# KiCad board z80.kicad_pcb (continued)
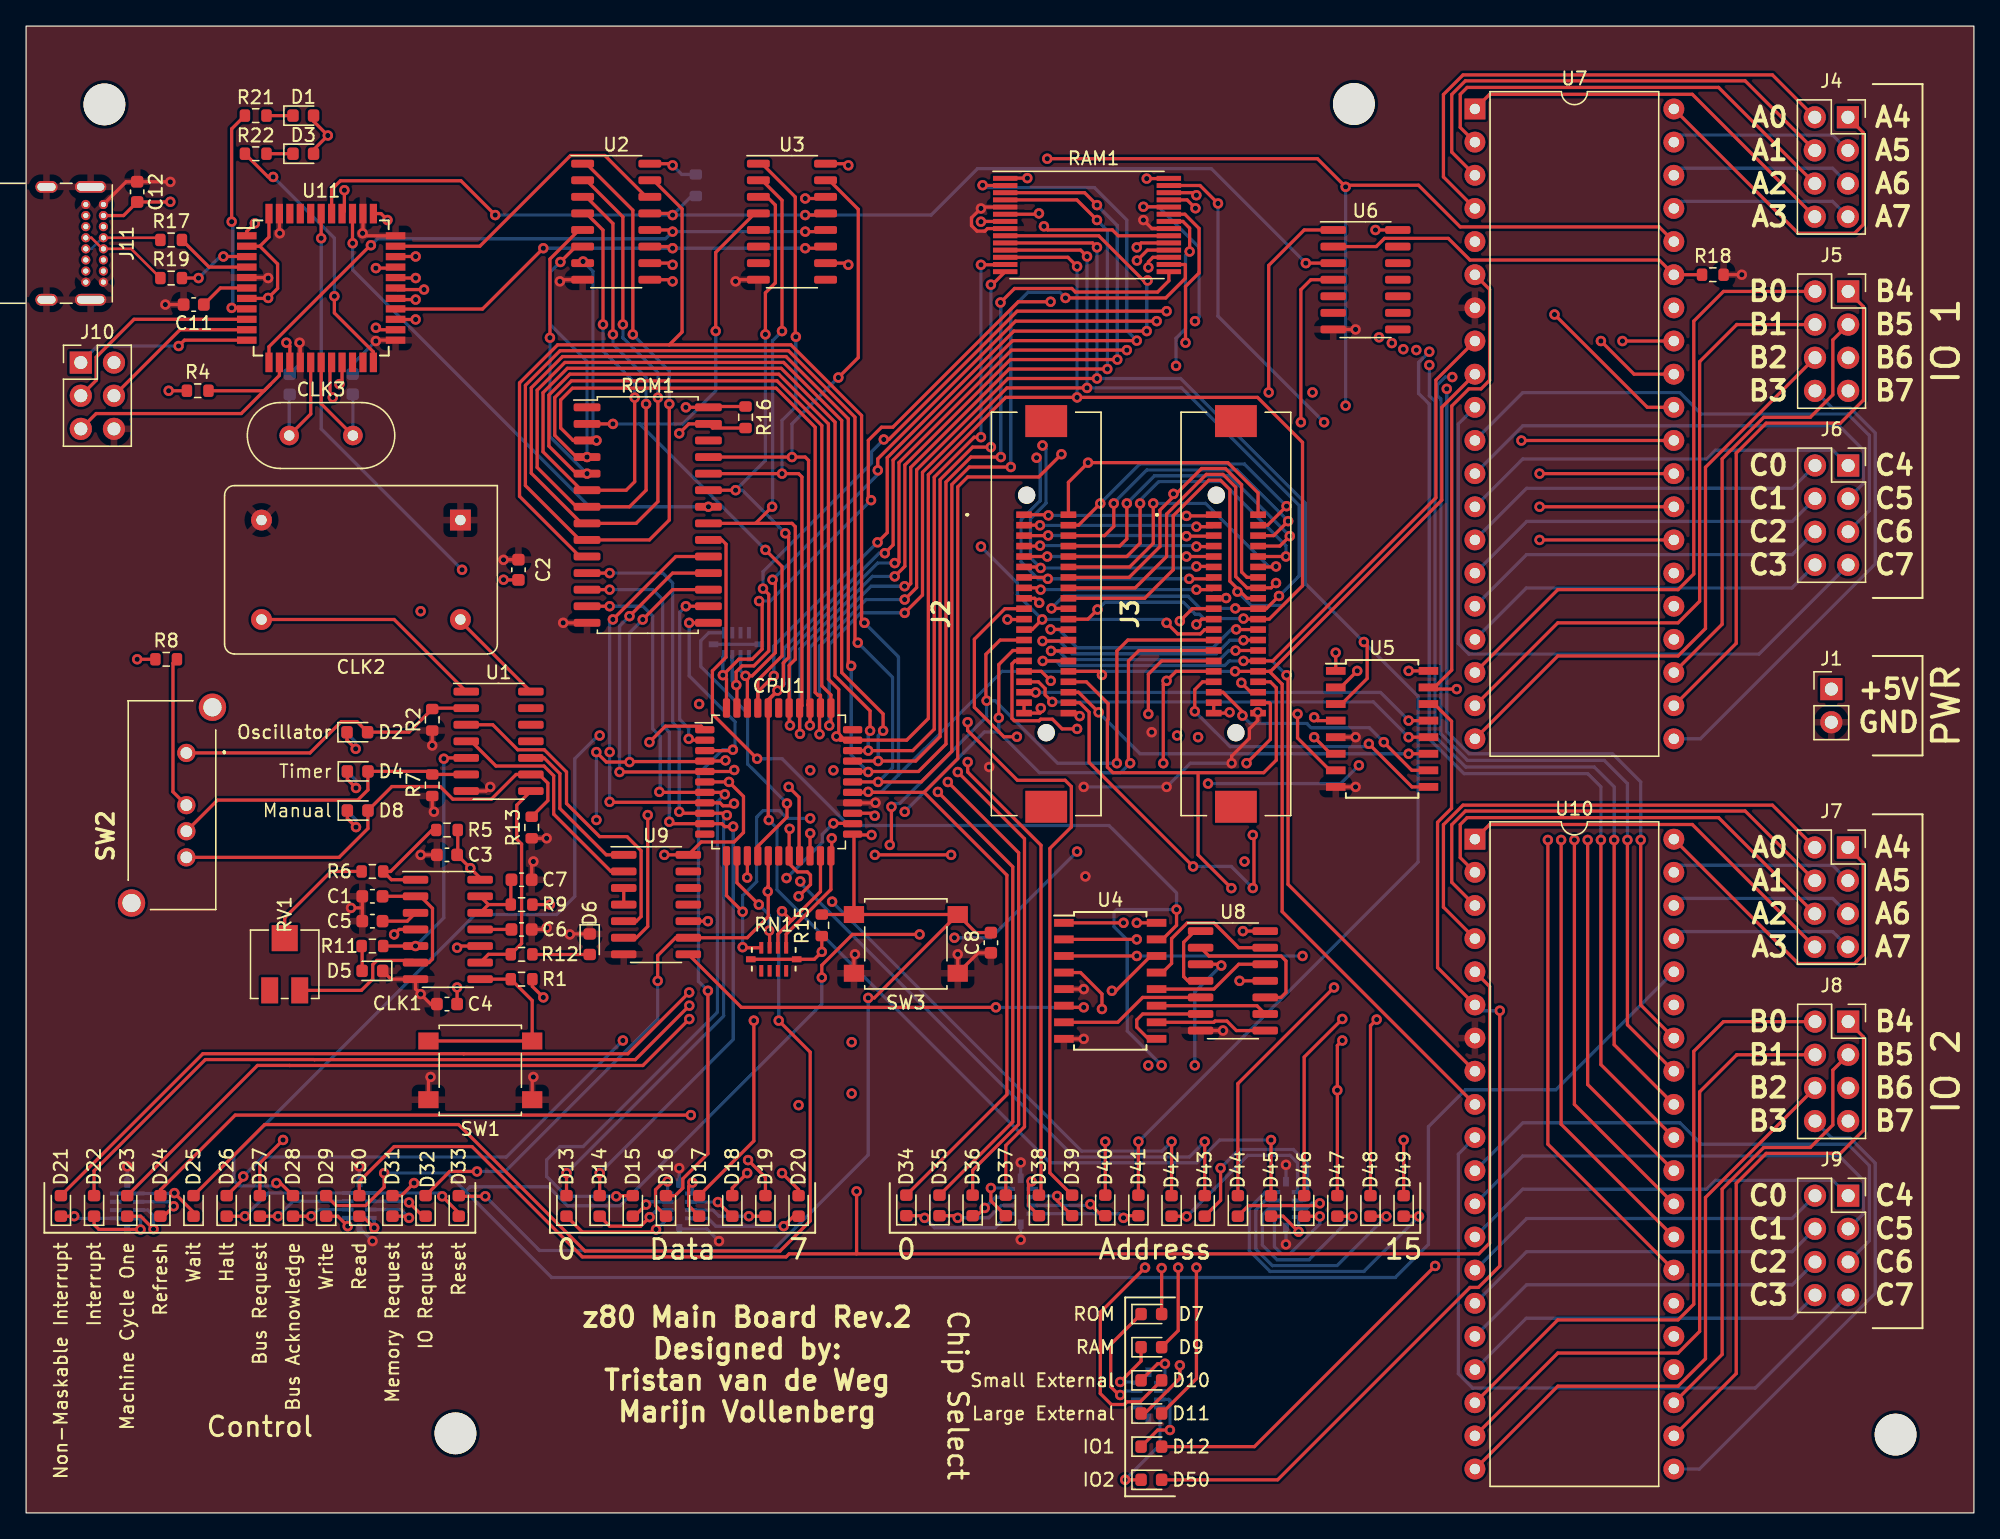
[diagram p0: board, top side]
## Nets (continued)
/USB-D-: J11.A7 J11.B7 R19.1
/WAIT: CPU1.21 D25.2 J2.16 J3.16 RN1.3
/WR: CPU1.19 D29.2 J2.13 J3.13 RAM1.27 U7.36 U10.36
Clock: CPU1.1 U9.6
Net-(CLK1A-CV): C5.1 CLK1.3
Net-(CLK1A-DIS): CLK1.1 R5.2 R6.2
Net-(CLK1A-THR): C1.1 CLK1.2 CLK1.6 RV1.1
Net-(CLK1B-CV): C6.1 CLK1.11
Net-(CLK1B-DIS): C7.2 CLK1.12 CLK1.13 R9.2
Net-(CLK1B-TR): CLK1.8 R1.2 SW1.2
Net-(D1-K): D1.1 R21.1
Net-(D2-A): D2.2 R2.2 SW2.1 U1.2
Net-(D2-K): D2.1 R3.1
Net-(D3-K): D3.1 R22.1
Net-(D4-A): D4.2 R7.2 SW2.3 U1.6
Net-(D4-K): D4.1 R10.1
Net-(D5-A): D5.2 R11.1
Net-(D6-A): D6.2 R12.2
Net-(D7-K): D7.1 RN8.4
Net-(D8-A): D8.2 R13.2 SW2.4 U1.9
Net-(D8-K): D8.1 R14.1
Net-(D9-K): D9.1 RN8.5
Net-(D10-K): D10.1 RN8.6
Net-(D11-K): D11.1 RN8.7
Net-(D12-K): D12.1 RN8.8
Net-(D13-K): D13.1 RN3.2
Net-(D14-K): D14.1 RN3.3
Net-(D15-K): D15.1 RN3.4
Net-(D16-K): D16.1 RN3.5
Net-(D17-K): D17.1 RN3.6
Net-(D18-K): D18.1 RN3.7
Net-(D19-K): D19.1 RN3.8
Net-(D20-K): D20.1 RN3.9
Net-(D21-K): D21.1 RN4.6
Net-(D22-K): D22.1 RN4.5
Net-(D23-K): D23.1 RN4.4
Net-(D24-K): D24.1 RN4.3
Net-(D25-K): D25.1 RN4.2
Net-(D26-K): D26.1 RN5.9
Net-(D27-K): D27.1 RN5.8
Net-(D28-K): D28.1 RN5.7
Net-(D29-K): D29.1 RN5.6
Net-(D30-K): D30.1 RN5.5
Net-(D31-K): D31.1 RN5.4
Net-(D32-K): D32.1 RN5.3
Net-(D33-K): D33.1 RN5.2
Net-(D34-K): D34.1 RN6.2
Net-(D35-K): D35.1 RN6.3
Net-(D36-K): D36.1 RN6.4
Net-(D37-K): D37.1 RN6.5
Net-(D38-K): D38.1 RN6.6
Net-(D39-K): D39.1 RN6.7
Net-(D40-K): D40.1 RN6.8
Net-(D41-K): D41.1 RN6.9
Net-(D42-K): D42.1 RN7.2
Net-(D43-K): D43.1 RN7.3
Net-(D44-K): D44.1 RN7.4
Net-(D45-K): D45.1 RN7.5
Net-(D46-K): D46.1 RN7.6
Net-(D47-K): D47.1 RN7.7
Net-(D48-K): D48.1 RN7.8
Net-(D49-K): D49.1 RN7.9
Net-(D50-K): D50.1 RN8.9
Net-(J4-Pin_1): J4.1 U7.40
Net-(J4-Pin_2): J4.2 U7.4
Net-(J4-Pin_3): J4.3 U7.39
Net-(J4-Pin_4): J4.4 U7.3
Net-(J4-Pin_5): J4.5 U7.38
Net-(J4-Pin_6): J4.6 U7.2
Net-(J4-Pin_7): J4.7 U7.37
Net-(J4-Pin_8): J4.8 U7.1
Net-(J5-Pin_1): J5.1 U7.22
Net-(J5-Pin_2): J5.2 U7.18
Net-(J5-Pin_3): J5.3 U7.23
Net-(J5-Pin_4): J5.4 U7.19
Net-(J5-Pin_5): J5.5 U7.24
Net-(J5-Pin_6): J5.6 U7.20
Net-(J5-Pin_7): J5.7 U7.25
Net-(J5-Pin_8): J5.8 U7.21
Net-(J6-Pin_1): J6.1 U7.13
Net-(J6-Pin_2): J6.2 U7.14
Net-(J6-Pin_3): J6.3 U7.12
Net-(J6-Pin_4): J6.4 U7.15
Net-(J6-Pin_5): J6.5 U7.11
Net-(J6-Pin_6): J6.6 U7.16
Net-(J6-Pin_7): J6.7 U7.10
Net-(J6-Pin_8): J6.8 U7.17
Net-(J7-Pin_1): J7.1 U10.40
Net-(J7-Pin_2): J7.2 U10.4
Net-(J7-Pin_3): J7.3 U10.39
Net-(J7-Pin_4): J7.4 U10.3
Net-(J7-Pin_5): J7.5 U10.38
Net-(J7-Pin_6): J7.6 U10.2
Net-(J7-Pin_7): J7.7 U10.37
Net-(J7-Pin_8): J7.8 U10.1
Net-(J8-Pin_1): J8.1 U10.22
Net-(J8-Pin_2): J8.2 U10.18
Net-(J8-Pin_3): J8.3 U10.23
Net-(J8-Pin_4): J8.4 U10.19
Net-(J8-Pin_5): J8.5 U10.24
Net-(J8-Pin_6): J8.6 U10.20
Net-(J8-Pin_7): J8.7 U10.25
Net-(J8-Pin_8): J8.8 U10.21
Net-(J9-Pin_1): J9.1 U10.13
Net-(J9-Pin_2): J9.2 U10.14
Net-(J9-Pin_3): J9.3 U10.12
Net-(J9-Pin_4): J9.4 U10.15
Net-(J9-Pin_5): J9.5 U10.11
Net-(J9-Pin_6): J9.6 U10.16
Net-(J9-Pin_7): J9.7 U10.10
Net-(J9-Pin_8): J9.8 U10.17
Net-(R6-Pad1): R6.1 RV1.2
Net-(R8-Pad2): R8.2 SW2.2
Net-(U2-QH'): U2.9 U3.14
Net-(U4-Y2): U4.13 U8.13
Net-(U4-Y3): U4.12 U8.12
Net-(U4-Y4): U4.11 U8.9
Net-(U4-Y5): U4.10 U8.8
Net-(U4-Y6): U4.9 U8.6
Net-(U4-Y7): U4.7 U8.5
Net-(U6-Pad4): U6.4 U9.10
Net-(U8-Pad1): U8.1 U8.4
Net-(U8-Pad10): U8.2 U8.10
Net-(U9-Pad3): U9.3 U9.4
Net-(U11-D+): R17.2 U11.4
Net-(U11-D-): R19.2 U11.3
Net-(U11-PB0): R21.2 U11.8
Net-(U11-PD5): R22.2 U11.22
Net-(U11-UCAP): C11.1 U11.6
Net-(U11-XTAL1): C9.1 CLK3.2 U11.17
Net-(U11-XTAL2): C10.1 CLK3.1 U11.16

Pads without a net: CPU1 11 17 33 39; J2 MP1 MP2; J3 MP1 MP2; J11 A5 A8 B5 B8; RN1 6 7 8 9; RN2 3 4 5 6; RN4 7 8 9; RN8 2 3; ROM1 1 26; RV1 3; SW2 MH1 MH2; U1 11 12 13; U3 5 6 7 9; U6 5 6 8 9 10 11 12 13; U9 11 12 13; U11 20 21 40 41 42

## Via types
v1: diameter 0.8, hole 0.4, F.Cu-Address to B.Cu-Data, 517 vias

## Routing (per net, layer and track width the routed paths; a pad name or vN(x,y) marks a point on that pad's centre or on a via; arc(x,y) is an arc through that point)
+5V: length 136.7
  F.Cu-Address w0.25: U1.14 33.27,68.33 ; 34.78,48.65 v1(34.04,49.4) C3.2 ; v1(77.74,61.66) 77.74,61.35 77.66,61.28 J2.20 J2.19 ; v1(27.69,99.06) 27.19,99.55 U11.34 ; U2.16 49.4,103.38 v1(49.53,103.25) ; v1(49.53,95.63) 49.4,95.76 U2.10 ; CLK1.4 28.58,44.7 v1(28.19,44.32) ; v1(48.89,50.42) U9.14 51.72,51.41 54.24,51.41 54.96,52.13 54.96,54.89 v1(53.85,56.01) CPU1.6 ; v1(73.15,98.93) 73.17,98.95 RAM1.28 ; U3.16 62.86,103.38 v1(62.99,103.25) ; 17.91,97.05 19.27,95.69 19.27,93.82 v1(18.54,93.09) 18.5,93.05 U11.7 ; 17.91,97.05 18.61,97.75 U11.44 ; 17.91,97.05 U11.2 ; CLK1.10 33.15,43.43 v1(33.02,43.31) ; R5.1 33.07,50.47 ; 86.61,45.21 v1(85.09,45.21) ; U8.14 v1(93.22,44.58) ; U11.14 20.21,89.4 v1(19.94,89.66) ; RN1.1 RN1.1 60.39,42.42 v1(60.96,42.99) R15.2 ; U11.24 26.95,90.65 v1(26.8,90.81) ; C2.2 36.59,71.49 v1(36.58,71.5) ; v1(62.99,95.63) 62.86,95.76 U3.10 ; v1(92.2,61.34) 92.14,61.28 J3.20 J3.19 ; 55.12,84.77 52.34,84.77 ; R8.1 v1(8.51,65.41) ; R4.1 v1(10.92,85.98) ; C4.2 v1(33.02,40.26) ; R9.1 v1(40.13,46.61) ; ROM1.28 v1(50.55,84.71) ; v1(11.05,100.46) 11.04,100.44 C12.2 7.47,99.4 J11.A4 ; D1.2 22.02,106.63 v1(23.11,105.54) 22.02,104.45 D3.2 ; U6.14 v1(103.38,98.3) ; R1.1 38.78,40.34 v1(39.62,39.5) ; 107.44,64.52 v1(105.92,64.52)
  In1.Cu-GND w0.25: v1(30.23,69.09) 30.86,68.45 CLK2.14 ; v1(77.74,61.66) 77.28,61.66 76.62,62.32 76.62,63.28 77.81,64.48 78.49,64.48 83.09,69.09 89.67,69.09 90.39,68.37 90.39,63.16 v1(92.2,61.34) ; v1(85.09,45.21) 85.73,44.58 v1(93.22,44.58) ; v1(63.25,36.07) v1(63.25,32.13)
  B.Cu-Data w0.25: v1(49.53,103.25) 50.23,102.55 51.31,102.55
GND: length 122.1
  F.Cu-Address w0.25: v1(85.6,99.06) 86.25,98.4 RAM1.14 ; v1(31.24,53.72) 31.11,53.85 R7.1 ; v1(38.86,49.91) 38.73,49.78 C7.1 ; C5.2 25.75,46.36 ; 25.75,46.36 C1.2 ; 25.75,46.36 v1(24.89,46.36) ; C3.1 v1(30.23,50.42) ; R18.2 v1(131.44,94.87) ; R2.1 v1(31.11,58.8) ; v1(30.99,33.4) 30.82,33.24 SW1.1 ; v1(94.36,61.34) 94.36,60.71 93.72,60.07 93.72,59.35 92.36,57.99 v1(92.36,57.44) ; SW1.1 38.77,33.31 v1(38.86,33.4) ; C11.2 v1(10.67,92.58) ; ROM1.14 v1(41.15,68.2) ; U4.8 v1(81.03,36.32) ; U5.8 v1(101.85,55.63) ; U11.23 26.86,89.85 v1(26.8,89.79) ; C8.1 72.94,42.91 SW3.1 v1(71.37,42.8) ; 100.14,90.68 v1(101.85,90.68) ; v1(41.66,44.32) 41.69,44.36 D6.1 ; U4.5 v1(81.03,40.13) ; C4.1 30.99,38.99 v1(30.23,39.75) 29.83,40.14 CLK1.7 27.95,40.89 D5.1 ; U11.35 25.81,98.07 v1(25.78,98.04) 25.97,97.85 U11.33 ; v1(65.07,54.41) 65.06,54.41 CPU1.26 ; v1(35.56,55.63) 35.24,55.31 U1.7 ; v1(36.58,73.03) 36.59,73.04 C2.1 ; v1(80.71,61.05) 80.49,61.28 J2.40 ; U8.7 v1(91.69,36.96) ; C6.2 39.75,44.7 v1(39.88,44.83) ; RAM1.1 73.65,98.4 73.45,98.21 72.85,98.21 72.43,98.63 72.43,99.23 73.14,99.95 v1(73.15,99.95) 73.26,100.05 RAM1.26 ; v1(18.54,94.62) 18.5,94.65 U11.5 ; v1(63.5,42.8) 63.42,42.72 SW3.1 ; J11.A1 7.66,101.99 C12.1 11.04,101.99 v1(11.05,101.98) ; U5.5 v1(101.85,59.44) ; R13.1 v1(39.88,51.69) ; U11.15 21.01,89.61 v1(20.95,89.66) ; U2.8 41.02,94.49 v1(40.89,94.36) ; v1(19.43,98.04) 19.41,98.07 U11.43 ; v1(54.36,94.36) 54.48,94.49 U3.8
  In2.Cu-5V w0.25: v1(80.71,61.05) 80.74,61.05 81.75,62.07 83.98,62.07 v1(86.23,59.82)
  B.Cu-Data w0.25: 25.57,21.8 v1(26.54,20.83) ; RN3.1 52.15,21.76 v1(53.09,20.83) ; v1(20.95,89.66) 20.95,88.01 C10.2 ; RN6.1 v1(76.2,20.93) ; v1(26.8,89.79) 25.02,88.01 C9.2 ; RN5.1 25.53,26.54 v1(25.53,26.54) ; RN6.1 v1(76.2,26.85) ; RN7.1 v1(96.52,20.57) ; RN3.1 v1(50.04,26.42) ; v1(92.36,57.44) 89.19,57.44 v1(87.38,55.63) v1(81.03,55.63) ; RN2.1 RN2.1 ; RN7.1 v1(96.52,26.67) ; RN4.1 v1(7.75,26.54)
  vias: v1(73.79,57.15) v1(81.15,48.77)
/A0: length 290.7
  F.Cu-Address w0.25: 48.06,102.11 50.26,99.92 50.26,90.48 49.28,89.5 ; 95.25,64.48 95.34,64.48 108.46,77.6 108.46,84.71 U7.9 ; 95.25,64.48 96.23,63.5 96.23,46.07 U10.9 ; 95.25,64.48 J3.36 v1(92.62,64.48) ; 49.28,89.5 58.59,89.5 64.01,84.08 64.01,68.2 ; 49.28,89.5 40.72,89.5 37.8,86.58 37.8,77.9 42.42,73.28 ; v1(82.42,64.2) 82.15,64.48 J2.36 ; 68.8,55.21 64.55,55.21 v1(64.52,55.25) 64.48,55.21 CPU1.27 ; 68.8,55.21 71.37,57.79 71.37,78.61 72.14,79.38 77.58,79.38 v1(79.32,81.12) ; 68.8,55.21 75.14,48.86 75.14,32.05 D34.2 ; v1(85.98,95.43) 85.98,95.86 86.33,96.2 RAM1.10
  In1.Cu-GND w0.25: v1(85.98,95.43) 88.1,93.31 88.1,91.53 79.32,82.75 v1(79.32,81.12)
  B.Cu-Data w0.25: 66.83,56.54 74.78,64.48 v1(92.62,64.48) ; 66.83,56.54 66.83,65.59 v1(64.22,68.2) ; 66.83,56.54 65.54,55.25 v1(64.52,55.25) ; v1(82.42,64.2) 82.42,64.23 82.68,64.48
/A1: length 316.1
  F.Cu-Address w0.25: D35.2 75.59,29.96 75.59,49.51 v1(69.85,55.24) ; U7.8 108.01,86.8 108.01,77.78 95.5,65.28 J3.35 v1(93.27,65.28) ; U10.8 96.68,48.16 96.68,64.07 v1(96.57,64.18) ; ROM1.9 47.75,74.55 49.28,76.07 v1(49.28,84.96) ; RAM1.9 88.77,95.65 88.81,95.62 88.81,94.59 87.31,93.09 v1(79.63,93.09) ; v1(46.48,90.3) 46.48,99.81 42.91,103.38 ; 42.42,74.55 38.25,78.72 38.25,86.39 40.91,89.05 58.41,89.05 63.5,83.96 63.5,66.68 ; CPU1.28 v1(65.28,56.01) 68.58,56.01 70.92,58.35 70.92,78.8 72.26,80.14 v1(75.44,80.14) ; v1(77.88,65.28) 79.85,65.28
  In2.Cu-5V w0.25: 68.58,56.01 77.85,65.28 v1(77.88,65.28) ; v1(65.28,56.01) 69.09,56.01 v1(69.85,55.24)
  B.Cu-Data w0.25: v1(79.63,93.09) 79.2,93.53 76.76,93.53 75.44,92.2 v1(75.44,80.14) ; v1(65.28,56.01) 66.38,57.11 66.38,64.01 v1(63.72,66.68) ; v1(96.57,64.18) 95.47,65.28 v1(93.27,65.28) 92.17,65.28 91.82,64.93 79.25,64.93 78.9,65.28 v1(77.88,65.28) ; v1(46.48,90.3) 49.28,87.5 v1(49.28,84.96)
/A2: length 237
  F.Cu-Address w0.25: v1(45.72,91.06) 45.72,99.3 42.91,102.11 ; v1(92.66,66.07) 92.66,66.08 J3.34 ; ROM1.8 46.74,75.82 48.4,77.49 v1(48.4,85.45) ; 42.55,75.82 38.7,79.67 38.7,86.21 41.09,88.6 58.22,88.6 62.99,83.83 62.99,64.99 ; 62.99,65.15 63.21,64.93 v1(63.21,64.9) ; v1(70.62,56) 76.04,50.58 76.04,29.77 72.52,26.25 D36.2 ; v1(74.65,92.74) 75.73,93.82 80.12,93.82 80.39,93.54 86.68,93.54 87.55,94.41 RAM1.8 ; CPU1.29 64.48,56.81 v1(64.52,56.77) 64.55,56.81 68.36,56.81 70.47,58.92 70.47,78.99 72.39,80.9 v1(74.68,80.9) ; v1(78.52,66.05) 79.82,66.05
  In1.Cu-GND w0.25: v1(64.52,56.77) 69.85,56.77 v1(70.62,56)
  In2.Cu-5V w0.25: v1(64.52,56.77) 65.47,56.77 74.74,66.05 v1(78.52,66.05)
  B.Cu-Data w0.25: v1(45.72,91.06) 45.72,90.03 48.4,87.35 v1(48.4,85.45) ; v1(92.66,66.07) 92.13,66.07 91.44,65.38 79.76,65.38 79.09,66.05 v1(78.52,66.05) ; v1(64.52,56.77) 63.21,58.08 v1(63.21,64.9) ; v1(74.65,92.74) 74.68,92.71 v1(74.68,80.9)
/A3: length 216.5
  F.Cu-Address w0.25: J3.33 93.28,66.88 v1(93.27,66.87) ; ROM1.7 46.23,77.09 47.5,78.36 v1(47.5,84.96) ; v1(73.91,94.11) 74.01,94.11 RAM1.7 ; v1(73.91,81.66) 72.51,81.66 70.02,79.17 70.02,59.48 68.15,57.61 v1(65.28,57.61) CPU1.30 ; v1(71.38,56.76) 76.49,51.65 76.49,29.58 75.06,28.15 D37.2 ; v1(44.96,90.3) 44.96,98.79 42.91,100.84 ; 42.16,77.09 39.15,80.1 39.15,86.02 41.28,88.15 58.03,88.15 62.48,83.7 62.48,64.39 65.66,61.22 v1(65.66,59.93) ; v1(77.87,66.8) 79.78,66.8
  In1.Cu-GND w0.25: v1(71.38,56.76) 70.54,57.61 v1(65.28,57.61)
  In2.Cu-5V w0.25: v1(77.87,66.8) 74.47,66.8 v1(65.28,57.61)
  B.Cu-Data w0.25: v1(65.28,57.61) 65.28,59.55 v1(65.66,59.93) ; v1(93.27,66.87) 92.22,66.87 91.19,65.83 80.14,65.83 79.16,66.8 v1(77.87,66.8) ; v1(47.5,84.96) 47.5,87 44.96,89.54 v1(44.96,90.3) ; v1(73.91,81.66) v1(73.91,94.11)
/A4: length 211.6
  F.Cu-Address w0.25: 77.75,24.5 77.75,51.15 72.14,56.77 v1(72.14,57.53) ; J3.32 92.72,67.68 v1(92.71,67.69) ; v1(73.15,82.42) 72.64,82.42 69.57,79.36 69.57,60.05 67.93,58.41 v1(64.52,58.41) CPU1.31 ; v1(78.49,67.69) 79.84,67.69 ; 42.91,99.57 44.2,98.29 v1(44.2,91.06) ; v1(73.15,95.63) 74.99,95.63 ; ROM1.6 45.97,78.36 46.63,79.01 v1(46.63,85.45) ; v1(64.66,59.93) 64.66,61.45 61.98,64.14 61.98,83.57 57.85,87.7 41.47,87.7 39.6,85.83 39.6,81.31 42.55,78.36
  In1.Cu-GND w0.25: v1(72.14,57.53) 71.26,58.41 v1(64.52,58.41)
  In2.Cu-5V w0.25: v1(78.49,67.69) 74.44,67.69 65.16,58.41 v1(64.52,58.41)
  B.Cu-Data w0.25: v1(64.66,59.93) 64.52,59.79 v1(64.52,58.41) ; v1(46.63,85.45) 46.63,86.6 44.2,89.03 v1(44.2,91.06) ; v1(78.49,67.69) 79.12,67.69 80.52,66.29 90.93,66.29 92.33,67.69 v1(92.71,67.69) ; v1(73.15,82.42) v1(73.15,95.63)
/A5: length 245.4
  F.Cu-Address w0.25: J2.31 81.35,68.48 v1(82.08,69.22) ; v1(40.13,90.04) 40.13,96.07 42.36,98.3 ; v1(80.52,95.5) 79.82,96.2 RAM1.5 ; D39.2 78.43,26.05 78.43,50.91 80.08,52.55 80.08,55.65 79.6,56.13 75.95,56.13 72.13,59.95 v1(72.13,60.58) ; v1(62.09,59.49) 62.37,59.21 CPU1.32 67.46,59.21 69.12,60.87 69.12,79.54 75.05,85.47 v1(80.52,85.47) 94.34,85.47 97.79,82.03 97.79,71.03 95.24,68.48 J3.31 93.31,68.48 v1(93.27,68.52) ; v1(100.33,65.91) 100.34,65.91 100.34,64.52 ; 62.73,59.21 62.26,59.68 62.26,63.09 61.47,63.88 61.47,83.44 57.66,87.25 41.65,87.25 40.05,85.65 40.05,81.74 42.16,79.63
  In1.Cu-GND w0.25: v1(72.13,60.58) 70.75,59.21 62.37,59.21 v1(62.09,59.49)
  In2.Cu-5V w0.25: v1(93.27,68.52) 97.72,68.52 v1(100.33,65.91)
  B.Cu-Data w0.25: v1(80.52,85.47) v1(80.52,95.5) ; v1(82.08,69.22) 82.11,69.22 82.68,69.78 88.65,69.78 89.57,68.85 89.91,68.85 90.24,68.52 v1(93.27,68.52) ; v1(42.98,79.63) 40.13,82.47 v1(40.13,90.04)
/A6: length 232.9
  F.Cu-Address w0.25: v1(82.68,28.45) D40.2 ; v1(67.31,68.96) 68.67,70.33 68.67,79.73 75.14,86.2 v1(81.28,86.2) ; 100.71,63.25 v1(101.98,64.52) ; 42.11,97.03 v1(40.93,95.85) ; 42.16,80.9 40.5,82.56 40.5,85.46 41.78,86.74 57.53,86.74 60.96,83.31 60.96,63.37 61.66,62.68 CPU1.34 61.66,60.45 v1(61.53,60.33) ; v1(95.99,70.26) 95.01,69.28 J3.30 92.66,69.28 v1(92.64,69.3) ; RAM1.4 80.79,96.75 v1(81.28,96.27) ; v1(78.56,69.3) 79.83,69.3
  In2.Cu-5V w0.25: v1(82.68,28.45) 83.82,29.59 86.23,29.59 99.44,42.8 99.44,61.98 v1(101.98,64.52) 101.98,65.29 97.01,70.26 v1(95.99,70.26)
  B.Cu-Data w0.25: v1(67.31,68.96) 63.96,68.96 61.53,66.53 v1(61.53,60.33) ; v1(40.93,95.85) 40.17,95.08 40.17,91.03 42.98,88.23 v1(42.98,80.9) ; v1(95.99,70.26) 97.54,71.8 97.54,77.19 88.53,86.2 v1(81.28,86.2) v1(81.28,96.27) ; v1(92.64,69.3) 89.96,69.3 89.03,70.23 79.48,70.23 v1(78.56,69.3)
/A7: length 248.5
  F.Cu-Address w0.25: J3.29 93.54,70.08 92.22,71.39 92.22,78.41 91.51,79.12 90.6,79.12 87.88,76.4 87.88,72.26 85.7,70.08 J2.29 ; v1(102.49,66.73) 102.74,66.47 102.74,63.93 100.79,61.98 ; ROM1.3 41.91,82.17 40.95,83.13 40.95,85.28 41.85,86.18 57.46,86.18 60.45,83.19 60.45,62.87 60.66,62.66 60.86,62.66 CPU1.35 ; v1(85.22,28.45) D41.2 ; v1(82.04,86.92) 75.23,86.92 68.22,79.92 68.22,70.9 v1(67.31,69.98) ; v1(82.04,96.97) 81.7,97.3 RAM1.3 ; 60.79,61.6 v1(60.79,59.66)
  B.Cu-Data w0.25: v1(60.79,59.66) 60.79,66.42 64.35,69.98 v1(67.31,69.98) ; v1(92.81,70.58) 93.86,69.53 96.29,69.53 97.99,71.23 ; v1(43.7,82.17) 43.42,82.44 43.42,95.13 v1(42.67,95.89) ; 97.99,71.23 97.99,77.38 88.44,86.92 v1(82.04,86.92) v1(82.04,96.97) ; 97.99,71.23 v1(102.49,66.73) 106.64,62.57 106.64,49.87 v1(85.22,28.45)
/A8: length 218.1
  F.Cu-Address w0.25: 61.53,102.11 63.75,99.88 63.75,88.52 v1(62.23,87) ; ROM1.25 v1(58.67,80.9) 59.69,80.9 59.94,80.65 59.94,61.97 59.89,61.91 60.06,61.74 ; D42.2 v1(87.76,28.45) ; CPU1.36 60.06,60.35 v1(60.05,60.34) ; RAM1.25 80.5,100.6 v1(82.04,99.06) ; v1(67.3,71) 67.57,71 67.77,71.2 67.77,80.1 75.31,87.64 v1(82.84,87.64) ; J2.28 84.98,70.88 87.38,73.28 87.38,76.53 90.42,79.57 91.69,79.57 92.67,78.59 92.67,71.74 93.54,70.88 J3.28 95.39,70.88 v1(95.76,71.25)
  In1.Cu-GND w0.25: v1(60.05,60.34) 60.05,59.35 61,58.4 61,47.59 v1(61.75,46.84)
  In2.Cu-5V w0.25: v1(82.84,87.64) 82.84,84.17 v1(95.76,71.25)
  B.Cu-Data w0.25: v1(82.04,99.06) 82.84,98.27 v1(82.84,87.64) ; v1(87.76,28.45) 87.03,27.72 80.86,27.72 v1(61.75,46.84) ; v1(62.23,87) 58.67,83.44 v1(58.67,80.9) ; v1(67.3,71) 64.73,71 60.05,66.32 v1(60.05,60.34)
/A9: length 216.1
  F.Cu-Address w0.25: ROM1.24 v1(57.91,79.63) 59.18,79.63 59.44,79.38 59.44,61.85 CPU1.37 59.26,59.72 v1(59.29,59.69) ; J2.27 84.51,71.68 86.87,74.04 86.87,76.84 90.05,80.02 91.88,80.02 93.12,78.78 93.12,72.09 93.54,71.68 J3.27 ; v1(58.97,90.12) 58.93,90.16 58.93,100.83 56.38,103.38 ; D43.2 v1(90.3,28.45) ; v1(66.55,71.76) 67.32,72.53 67.32,80.29 75.4,88.37 v1(83.6,88.37) ; RAM1.24 81.09,101.15 v1(82.04,100.2)
  In1.Cu-GND w0.25: v1(59.29,59.69) 59.22,59.62 59.22,48.48 v1(59.31,48.39)
  In2.Cu-5V w0.25: v1(87.9,78.08) 86.88,78.08 79.79,85.17 79.79,85.77 82.39,88.37 v1(83.6,88.37)
  B.Cu-Data w0.25: v1(59.29,59.69) 59.29,66.2 64.85,71.76 v1(66.55,71.76) ; v1(58.97,90.12) 58.97,84.76 57.91,83.7 v1(57.91,79.63) ; v1(83.6,88.37) 83.6,98.65 v1(82.04,100.2) ; v1(59.31,48.39) 59.31,48.25 80.29,27.27 89.12,27.27 v1(90.3,28.45)
/A10: length 207.7
  F.Cu-Address w0.25: 55.88,75.82 58.67,75.82 58.93,75.57 58.93,65.4 58.46,64.93 CPU1.38 58.46,60.4 v1(58.52,60.33) ; 55.88,75.82 v1(57.15,77.09) ; 55.88,75.82 ROM1.21 ; v1(100.2,40.26) 92.84,32.89 D44.2 ; v1(86.36,77.35) 86.36,74.29 84.54,72.48 J2.26 ; J3.26 95.72,72.48 v1(95.76,72.52) ; v1(57.91,90.55) 57.91,100.57 56.38,102.11 ; v1(66.54,72.78) 66.81,72.78 66.87,72.84 66.87,80.48 75.49,89.09 84.33,89.09 v1(84.33,89.09) ; v1(85.85,102.24) 87.53,102.24
  In1.Cu-GND w0.25: v1(84.33,89.09) 84.33,100.71 v1(85.85,102.24)
  In2.Cu-5V w0.25: v1(95.76,72.52) 95.76,72.27 103.13,64.9 103.13,64.64 100.2,61.71 v1(100.2,40.26) ; v1(86.36,77.35) 86.36,77.6 78.99,84.96 78.99,85.61 82.48,89.09 v1(84.33,89.09)
  B.Cu-Data w0.25: v1(95.76,72.52) 95.18,72.52 90.35,77.35 v1(86.36,77.35) ; v1(66.54,72.78) 65.23,72.78 58.52,66.07 v1(58.52,60.33) ; v1(57.15,77.09) 57.19,77.13 57.19,89.83 v1(57.91,90.55)
/A11: length 226.9
  F.Cu-Address w0.25: v1(85.34,77.34) 85.34,74.3 84.33,73.28 J2.25 ; v1(54.36,78.36) ROM1.23 ; v1(85.09,89.82) 75.58,89.82 66.42,80.66 66.42,74.17 v1(65.79,73.53) ; 56.86,62.26 58.01,63.41 58.01,65.12 58.42,65.53 58.42,74.8 v1(58.17,75.06) ; RAM1.23 73.3,101.7 v1(73.28,101.73) ; D45.2 v1(95.38,28.57) ; J3.25 v1(96.52,73.28) ; 56.77,100.84 57.4,100.2 57.4,94.25 56.64,93.48 v1(56.64,90.3) ; v1(56.9,53.09) 56.86,53.12 CPU1.40 56.86,62.3 v1(57.56,63.01)
  In2.Cu-5V w0.25: v1(85.09,89.82) 85.09,85.93 96.09,74.93 96.09,73.71 v1(96.52,73.28)
  B.Cu-Data w0.25: v1(56.9,53.09) 57.53,52.45 57.53,47.74 78.45,26.82 89.7,26.82 91.44,28.57 v1(95.38,28.57) ; v1(73.28,101.73) 73.46,101.55 81.84,101.55 84.33,99.06 84.33,90.58 v1(85.09,89.82) ; v1(58.17,75.06) 54.86,78.36 v1(54.36,78.36) 56.64,80.64 v1(56.64,90.3) ; v1(57.56,63.01) 58.07,63.52 58.07,66.25 65.35,73.53 v1(65.79,73.53) ; v1(85.34,77.34) 85.34,77.6 86.76,79.01 91.61,79.01 96.52,74.11 v1(96.52,73.28)
/A12: length 220.1
  F.Cu-Address w0.25: v1(56.64,73.79) 57.91,72.52 57.91,65.66 56.06,63.81 CPU1.41 56.06,62.91 v1(57.28,64.14) ; 55.82,99.57 52.83,96.58 v1(52.83,90.55) ; v1(65.23,74.36) 65.97,75.11 65.97,80.85 75.68,90.55 v1(85.85,90.55) ; RAM1.2 82.18,97.85 85.6,94.43 v1(85.92,94.43) ; D46.2 97.92,34.93 v1(100.84,37.85) ; v1(44.96,83.44) ROM1.2 ; v1(96.81,74.84) 96.05,74.08 J3.24 ; J2.24 83.78,74.08 84.33,74.63 v1(84.33,77.34)
  In2.Cu-5V w0.25: v1(100.84,37.85) 106.64,43.65 106.64,65.01 v1(96.81,74.84) 85.85,85.8 v1(85.85,90.55)
  B.Cu-Data w0.25: v1(57.28,64.14) 57.28,66.42 v1(65.23,74.36) ; v1(56.64,73.79) 46.99,83.44 ; 46.99,83.44 50.3,83.44 52.83,85.97 v1(52.83,90.55) ; 46.99,83.44 v1(44.96,83.44) ; v1(85.85,90.55) 85.85,94.36 v1(85.92,94.43) ; v1(84.33,77.34) 84.33,77.35 86.44,79.46 92.19,79.46 v1(96.81,74.84)
/A13: length 181.6
  F.Cu-Address w0.25: D47.2 v1(100.46,32.39) 100.46,35.81 v1(100.84,36.2) ; J2.23 82.63,74.88 83.33,75.58 v1(83.33,77.34) ; v1(65.25,79.88) 65.25,80.76 75.8,91.31 v1(86.61,91.31) ; J3.23 95.58,74.88 v1(96.69,75.99) ; v1(57.19,71.5) 57.4,71.28 57.4,65.91 55.63,64.14 v1(55.12,64.14) 55.26,64 CPU1.42 ; 79.51,45.21 v1(84.07,45.21)
  In1.Cu-GND w0.25: v1(100.46,32.39) 94.35,32.39 84.07,42.66 v1(84.07,45.21)
  In2.Cu-5V w0.25: v1(100.84,36.2) 107.09,42.45 107.09,65.58 v1(96.69,75.99) 86.61,86.06 v1(86.61,91.31)
  B.Cu-Data w0.25: v1(83.33,77.34) 83.33,77.37 85.87,79.91 92.76,79.91 v1(96.69,75.99) ; RN2.7 54.74,64.52 v1(55.12,64.14) ; v1(65.25,79.88) 65.25,79.56 v1(57.19,71.5)
/A14: length 181.7
  F.Cu-Address w0.25: J2.22 80.63,75.68 v1(82.3,77.34) ; J3.22 95.11,75.68 v1(96.57,77.14) ; v1(87.38,92.08) 75.93,92.08 66.1,82.25 v1(65.71,82.25) ; CPU1.43 54.46,63.38 v1(54.41,63.43) 54.39,63.45 54.39,64.44 54.85,64.9 55.75,64.9 56.9,66.04 56.9,70.38 v1(56.46,70.82) ; U4.2 v1(85.09,43.94) ; D48.2 103,37.33 v1(103.47,37.8)
  In1.Cu-GND w0.25: v1(103.47,37.8) 103.47,38.02 97.64,43.85 85.18,43.85 v1(85.09,43.94)
  In2.Cu-5V w0.25: v1(103.47,37.8) 107.54,41.88 107.54,66.16 v1(96.57,77.14) 87.38,86.33 v1(87.38,92.08)
  B.Cu-Data w0.25: RN2.8 54.1,63.74 v1(54.41,63.43) ; v1(82.3,77.34) 85.32,80.36 93.34,80.36 v1(96.57,77.14) ; v1(56.46,70.82) 56.46,72.11 64.77,80.43 64.77,81.31 v1(65.71,82.25)
/A15: length 167
  F.Cu-Address w0.25: v1(64.73,77.6) 64.52,77.81 64.52,82.18 65.53,83.19 66.4,83.19 76.02,92.8 v1(78.49,92.8) ; J2.21 79.85,78.97 v1(81.36,80.47) 92.07,80.47 94.39,78.15 J3.21 ; U4.3 v1(85.09,42.67) ; v1(105.54,28.58) D49.2 ; CPU1.44 53.66,63.9 v1(53.38,64.18) 54.6,65.41 55.62,65.41 56.39,66.18 56.39,69.63 v1(56.15,69.87)
  In1.Cu-GND w0.25: v1(97.79,42.67) 97.79,36.32 v1(105.54,28.58)
  In2.Cu-5V w0.25: v1(78.49,92.8) 78.49,83.34 v1(81.36,80.47) 81.36,63.98 82.17,63.18 85.8,63.18 88.9,60.08 88.9,55.63 97.79,46.75 v1(97.79,42.67)
  B.Cu-Data w0.25: v1(64.73,77.6) 57,69.87 v1(56.15,69.87) ; v1(53.38,64.18) 53.38,65.58 RN2.9 ; v1(85.09,42.67) v1(97.79,42.67)
/AdjClk: length 19.5
  F.Cu-Address w0.25: v1(29.83,43.43) R11.2 ; U1.5 32.07,57.85 v1(32,57.79)
  B.Cu-Data w0.25: v1(29.83,43.43) 32,45.6 v1(32,57.79)
/AdjOUT: length 17.5
  F.Cu-Address w0.25: 34.1,59.12 36,57.22 39.68,57.22 40.42,56.48 40.42,53.54 44.81,49.15 U9.2
/BUSACK: length 126.2
  F.Cu-Address w0.25: v1(22.61,97.66) U11.39 ; v1(19.18,25.27) 19.48,25.27 D28.2 ; v1(60.07,52.07) 60.06,52.06 CPU1.20
  In2.Cu-5V w0.25: v1(43.94,59.56) 46.1,59.56 46.48,59.18 ; 46.48,59.18 v1(33.4,72.26) ; 46.48,59.18 53.98,51.69 59.69,51.69 v1(60.07,52.07)
  B.Cu-Data w0.25: v1(22.61,97.66) 22.61,83.06 v1(33.4,72.26) ; v1(43.94,59.56) 43.82,59.56 42.04,57.79 42.04,47.24 40.64,45.85 34.42,45.85 15.91,27.34 15.91,25.48 16.34,25.06 18.96,25.06 v1(19.18,25.27)
/BUSRQ: length 134.8
  F.Cu-Address w0.25: v1(19.69,28.58) 17.91,26.8 D27.2 ; RN1.2 58.23,44.34 61.66,47.77 CPU1.22 ; U11.30 28.23,95.38 v1(26.8,95.38) ; v1(61.72,51.69) 61.72,50.41
  In2.Cu-5V w0.25: 32,67.94 32,82.8 30.06,84.75 23.19,84.75 22.77,85.17 22.77,91.35 v1(26.8,95.38) ; 32,67.94 19.69,55.62 v1(19.69,28.58) ; 32,67.94 44.69,55.25 47.49,55.25 48.29,54.45 50.58,54.45 54.07,50.96 61,50.96 v1(61.72,51.69)
/D0: length 281.2
  F.Cu-Address w0.25: v1(123.7,51.56) 123.7,38.92 U10.34 ; U11.19 24.21,86.69 v1(24,86.49) ; ROM1.11 v1(44.7,72.01) ; v1(89.66,70.74) 90.85,70.74 J3.8 ; v1(77.72,70.74) 77.58,70.88 J2.8 ; v1(50.04,53.72) 50.15,53.61 CPU1.9 53.54,53.61 v1(53.68,53.46) ; v1(41.4,26.04) D13.2 ; RAM1.11 85.9,96.75 v1(85.1,95.96)
  In1.Cu-GND w0.25: 96.39,86.61 101.22,86.61 101.71,86.12 120.03,86.12 U7.34 ; 96.39,86.61 97.79,86.61 v1(98.55,85.85) ; 96.39,86.61 94.87,86.61 94.47,86.22 94.47,75.55 v1(89.66,70.74) ; v1(77.72,70.74) 74.17,70.74 72.41,68.98 72.41,64.41 69.09,61.09 58.25,61.09 57.79,60.62 57.79,56.87 54.37,53.46 v1(53.68,53.46)
  In2.Cu-5V w0.25: v1(98.55,85.85) 91.6,92.8 86.52,92.8 85.13,94.2 85.13,95.93 v1(85.1,95.96) ; v1(44.7,72.01) 30.23,86.49 v1(24,86.49)
  B.Cu-Data w0.25: v1(50.04,53.72) 50.04,60.07 49.53,60.58 49.53,71.25 48.77,72.01 v1(44.7,72.01) ; v1(53.68,53.46) 53.44,53.22 53.44,38.08 v1(41.4,26.04) ; v1(108.84,86.12) 108.84,59.88 110.55,58.17 121.54,58.17 123.7,56.01 v1(123.7,51.56) ; v1(77.72,70.74) v1(89.66,70.74)
/D1: length 294.1
  F.Cu-Address w0.25: v1(49.28,52.96) 49.43,52.81 CPU1.10 53.31,52.81 53.53,52.58 v1(54.17,52.58) ; U10.33 122.68,37.4 v1(122.68,51.56) ; ROM1.12 v1(44.7,70.74) ; U11.18 23.28,88.03 23.28,85.69 v1(23.5,85.47) ; v1(122.3,89.79) U7.33 ; v1(85.09,96.97) 85.43,97.3 RAM1.12 ; v1(43.94,26.04) D14.2 ; v1(78.28,71.57) 78.17,71.68 J2.7 ; v1(89.11,71.57) 90.88,71.57
  In1.Cu-GND w0.25: v1(109.26,87.03) 109.23,87.06 107.19,87.06 ; v1(89.11,71.57) 89.74,71.57 94.02,75.85 94.02,86.4 94.68,87.06 107.19,87.06 ; 107.19,87.06 109.22,87.06 110.82,88.66 121.18,88.66 v1(122.3,89.79)
  In2.Cu-5V w0.25: v1(77.41,80.85) 77.14,81.12 77.14,93.15 78.61,94.62 82.74,94.62 v1(85.09,96.97) ; v1(54.17,52.58) 60.29,58.71 62.41,58.71 64.71,61.01 67.13,61.01 73.99,67.87 73.99,68.28 77.28,71.57 v1(78.28,71.57) ; v1(23.5,85.47) 29.97,85.47 v1(44.7,70.74)
  B.Cu-Data w0.25: v1(43.94,26.04) 54.17,36.26 v1(54.17,52.58) ; v1(122.68,51.56) 122.68,55.88 120.9,57.66 110.42,57.66 108.39,59.69 108.39,85.34 108.11,85.62 108.11,86.42 108.72,87.03 v1(109.26,87.03) ; v1(44.7,70.74) 48.01,70.74 48.77,69.98 48.77,60.33 49.28,59.82 v1(49.28,52.96) ; v1(89.11,71.57) v1(78.28,71.57) 77.53,71.57 76.23,72.88 76.23,76.09 77.69,77.55 77.69,80.57 v1(77.41,80.85)
/D2: length 304.2
  F.Cu-Address w0.25: U10.32 121.67,35.87 v1(121.67,51.56) ; v1(120.65,89.79) 123.19,87.25 U7.32 ; ROM1.13 v1(44.7,69.47) ; v1(29.84,91.44) 28.32,91.44 U11.25 ; v1(45.21,24.26) 45.26,24.31 D15.2 ; v1(77.98,98.58) 78.25,98.3 83.22,98.3 83.67,97.85 RAM1.13 ; v1(77.72,72.4) 77.65,72.48 J2.6 ; v1(89.66,72.52) 90.95,72.52 ; v1(53.53,55.06) 53.38,55.21 CPU1.7 48.55,55.21 v1(48.51,55.25)
  In1.Cu-GND w0.25: v1(120.65,89.79) 119.52,90.91 110.47,90.91 v1(107.51,87.95) 107.07,87.51 94.5,87.51 93.57,86.59 93.57,76.04 90.05,72.52 v1(89.66,72.52) ; v1(77.98,98.58) 77.76,98.36 77.76,81.9 v1(77.87,81.79)
  In2.Cu-5V w0.25: v1(77.72,72.4) 77.47,72.4 66.53,61.46 63.88,61.46 63.5,61.09 58.25,61.09 57.8,60.63 57.8,58.18 54.69,55.07 53.55,55.07 v1(53.53,55.06) ; v1(44.7,69.47) 45.43,70.19 45.43,75.86 v1(29.84,91.44)
  B.Cu-Data w0.25: v1(45.21,24.26) 41.4,24.26 39.88,25.78 39.88,27.05 40.89,28.07 42.67,28.07 52.96,38.35 52.96,54.49 v1(53.53,55.06) ; v1(77.87,81.79) 78.14,81.52 78.14,77.36 76.95,76.17 76.95,73.18 v1(77.72,72.4) 89.55,72.4 v1(89.66,72.52) ; v1(44.7,69.47) 47.24,69.47 48.01,68.71 48.01,60.07 48.58,59.5 48.58,55.31 v1(48.51,55.25) ; v1(121.67,51.56) 121.67,55.63 120.14,57.15 110.29,57.15 107.94,59.5 107.94,85.16 107.51,85.59 v1(107.51,87.95)
/D3: length 299.7
  F.Cu-Address w0.25: J2.5 v1(78.23,73.28) ; v1(89.14,96.65) 89.14,98.44 88.63,98.95 RAM1.15 ; v1(54.15,58.48) 54.08,58.41 CPU1.3 ; U10.31 120.65,34.35 v1(120.65,51.56) ; v1(50.8,68.2) ROM1.15 ; v1(117.09,91.82) 124.21,84.71 U7.31 ; v1(29.84,96.27) 28.32,96.27 U11.31 ; D16.2 49.73,24.31 50.31,24.89 50.31,25.6 52.23,27.52 v1(52.23,40.01) ; v1(88.9,73.28) J3.5
  In1.Cu-GND w0.25: v1(78.23,73.28) 80.77,73.28 81.57,74.08 81.57,78.49 88.1,85.02 v1(88.1,87.88) ; v1(29.84,96.27) 30.63,96.27 46.68,80.22 46.68,72.31 50.79,68.2 v1(50.8,68.2) ; v1(117.09,91.82) 115.44,93.47 110.55,93.47 107.5,90.42 v1(107.5,88.97) 106.5,87.96 94.31,87.96 93.12,86.78 93.12,76.23 90.18,73.28 v1(88.9,73.28)
  In2.Cu-5V w0.25: v1(78.23,73.28) 77.57,73.28 67.18,62.89 67.18,62.87 66.23,61.91 57.59,61.91 v1(54.15,58.48)
  B.Cu-Data w0.25: v1(107.5,88.97) 106.68,88.15 106.68,85.78 107.49,84.97 107.49,59.32 110.16,56.64 119.63,56.64 120.65,55.63 v1(120.65,51.56) ; v1(88.1,87.88) 88.1,90.01 88.82,90.73 88.82,96.33 v1(89.14,96.65) ; v1(52.23,40.01) 51.51,40.73 51.51,56.62 53.37,58.48 v1(54.15,58.48) 54.32,58.65 54.32,60.62 50.8,64.14 v1(50.8,68.2) ; v1(78.23,73.28) v1(88.9,73.28)
/D4: length 285.1
  F.Cu-Address w0.25: v1(55.75,37.72) 55.75,28.5 D17.2 ; U11.27 28.39,92.96 v1(29.84,92.96) ; U7.30 114.56,82.17 v1(114.56,82.16) ; v1(88.83,89.66) 88.83,93.97 89.87,95.01 89.87,98.41 88.77,99.5 RAM1.16 ; v1(119.63,51.56) 119.63,32.82 U10.30 ; ROM1.16 v1(50.55,69.47) ; v1(89.66,74.04) 90.95,74.04 ; v1(77.68,74.11) 77.65,74.08 J2.4 ; v1(50.76,59.31) 50.86,59.21 CPU1.2
  In1.Cu-GND w0.25: v1(77.68,74.11) 77.75,74.04 80.77,74.04 81.12,74.39 81.12,78.68 87.07,84.63 87.07,87.91 v1(88.83,89.66) ; v1(119.63,51.56) 119.63,77.09 v1(114.56,82.16) ; v1(89.66,74.04) 90.3,74.04 92.67,76.41 92.67,86.96 94.12,88.41 105.83,88.41 v1(106.51,89.1) ; v1(55.75,37.72) 50.76,42.71 v1(50.76,59.31)
  In2.Cu-5V w0.25: v1(114.56,82.16) 113.03,83.69 113.03,86.81 111.46,88.37 110.53,88.37 109.21,89.69 107.1,89.69 v1(106.51,89.1) ; v1(50.76,59.31) 51.43,59.31 59.56,67.44 71,67.44 v1(77.68,74.11) ; v1(50.55,69.47) 50.55,76.35 33.93,92.96 v1(29.84,92.96)
  B.Cu-Data w0.25: v1(50.55,69.47) 50.08,69 50.08,60.8 50.76,60.11 v1(50.76,59.31) ; v1(89.66,74.04) 89.59,74.11 v1(77.68,74.11)
/D5: length 315.7
  F.Cu-Address w0.25: U11.1 16.91,98.19 v1(17.53,98.81) ; v1(43.69,58.29) 44.45,57.53 v1(46.23,57.53) 46.27,57.57 51.96,57.57 ; v1(47.24,68.45) 49.53,70.74 ROM1.17 ; v1(55.24,26.04) 54.1,24.89 D18.2 ; v1(53.58,57.66) 53.53,57.61 CPU1.4 ; v1(118.62,51.56) 118.62,31.3 U10.29 ; v1(85.6,100.08) 87.53,100.08 ; v1(78.3,74.89) 78.29,74.88 J2.3 ; v1(115.95,79.63) U7.29 ; v1(88.9,74.84) 90.94,74.84
  In1.Cu-GND w0.25: v1(47.24,68.45) 46.52,67.73 44.65,67.73 27.86,84.53 27.86,86.44 17.53,96.77 v1(17.53,98.81) ; v1(89.55,91.31) 89.45,91.31 86.62,88.49 86.62,84.82 83.9,82.09 81.95,82.09 80.52,80.65 80.52,75.57 79.84,74.89 v1(78.3,74.89) 77.43,74.89 64.08,61.54 58.06,61.54 57.33,60.81 57.33,60.64 54.35,57.66 v1(53.58,57.66) ; v1(118.62,51.56) 118.62,76.96 v1(115.95,79.63) ; v1(88.9,74.84) 90.46,74.84 92.22,76.6 92.22,87.15 93.97,88.9 105.25,88.9 v1(105.51,89.16)
  In2.Cu-5V w0.25: v1(105.51,89.16) 107.26,90.91 111.52,90.91 115.32,87.12 115.32,80.26 v1(115.95,79.63) ; v1(43.69,53.09) 43.69,36.69 54.35,26.04 v1(55.24,26.04)
  B.Cu-Data w0.25: v1(43.69,53.09) 43.69,58.29 v1(43.69,58.29) ; v1(78.3,74.89) 88.84,74.89 v1(88.9,74.84) ; v1(47.24,68.45) 46.23,67.44 v1(46.23,57.53) ; v1(89.55,91.31) 89.87,91.63 89.87,96.95 86.74,100.08 v1(85.6,100.08)
/D6: length 301.1
  F.Cu-Address w0.25: CPU1.5 54.14,56.81 v1(54.25,56.92) ; v1(89.59,99.96) 88.95,100.6 RAM1.18 ; v1(117.6,51.56) 117.6,29.78 U10.28 ; D19.2 56.64,25.7 v1(55.31,27.03) ; v1(77.67,75.67) 77.66,75.68 J2.2 ; ROM1.18 49.53,72.01 v1(46.23,68.71) ; v1(89.66,75.57) 90.87,75.57 ; 51.96,56.77 v1(45.47,56.77) ; U11.28 28.43,93.73 v1(30.49,93.73) ; v1(115.95,77.09) U7.28
  In1.Cu-GND w0.25: v1(89.59,99.96) 90.77,98.78 90.77,93.56 86.17,88.97 86.17,85.03 83.69,82.55 81.78,82.55 79.04,79.82 79.04,76.13 78.58,75.67 v1(77.67,75.67) 77.57,75.67 64.14,62.23 56.13,62.23 52.85,58.95 52.85,57.36 53.29,56.92 v1(54.25,56.92) ; v1(115.95,77.09) 117.6,75.44 v1(117.6,51.56) ; v1(45.47,56.77) 42.97,54.27 42.97,37.41 53.35,27.03 v1(55.31,27.03) ; v1(104.63,89.63) 104.35,89.35 93.79,89.35 91.77,87.34 91.77,80.39 89.66,78.28 v1(89.66,75.57) ; v1(46.23,68.71) 46.23,75.35 31.62,89.96 31.62,92.58 30.49,93.72 v1(30.49,93.73)
  In2.Cu-5V w0.25: v1(115.95,77.09) 112.29,80.75 110.82,80.75 104.63,86.95 v1(104.63,89.63)
  B.Cu-Data w0.25: v1(77.67,75.67) 89.56,75.67 v1(89.66,75.57) ; v1(46.23,68.71) 45.47,67.95 v1(45.47,56.77)
